# Altium PCB 2016_FDP_PCB.PcbDoc (part 3 of 3)
Units mil, origin at the board's own origin, x right, y up, seen from the top; angles counter-clockwise.
Board outline 4330.71 x 8858.27 mil, 4 copper layers (1-TOP, 2-GND, 3-SIGNAL, 4-BOT); 304 components, 243 nets, 1184 pads, 446 vias.
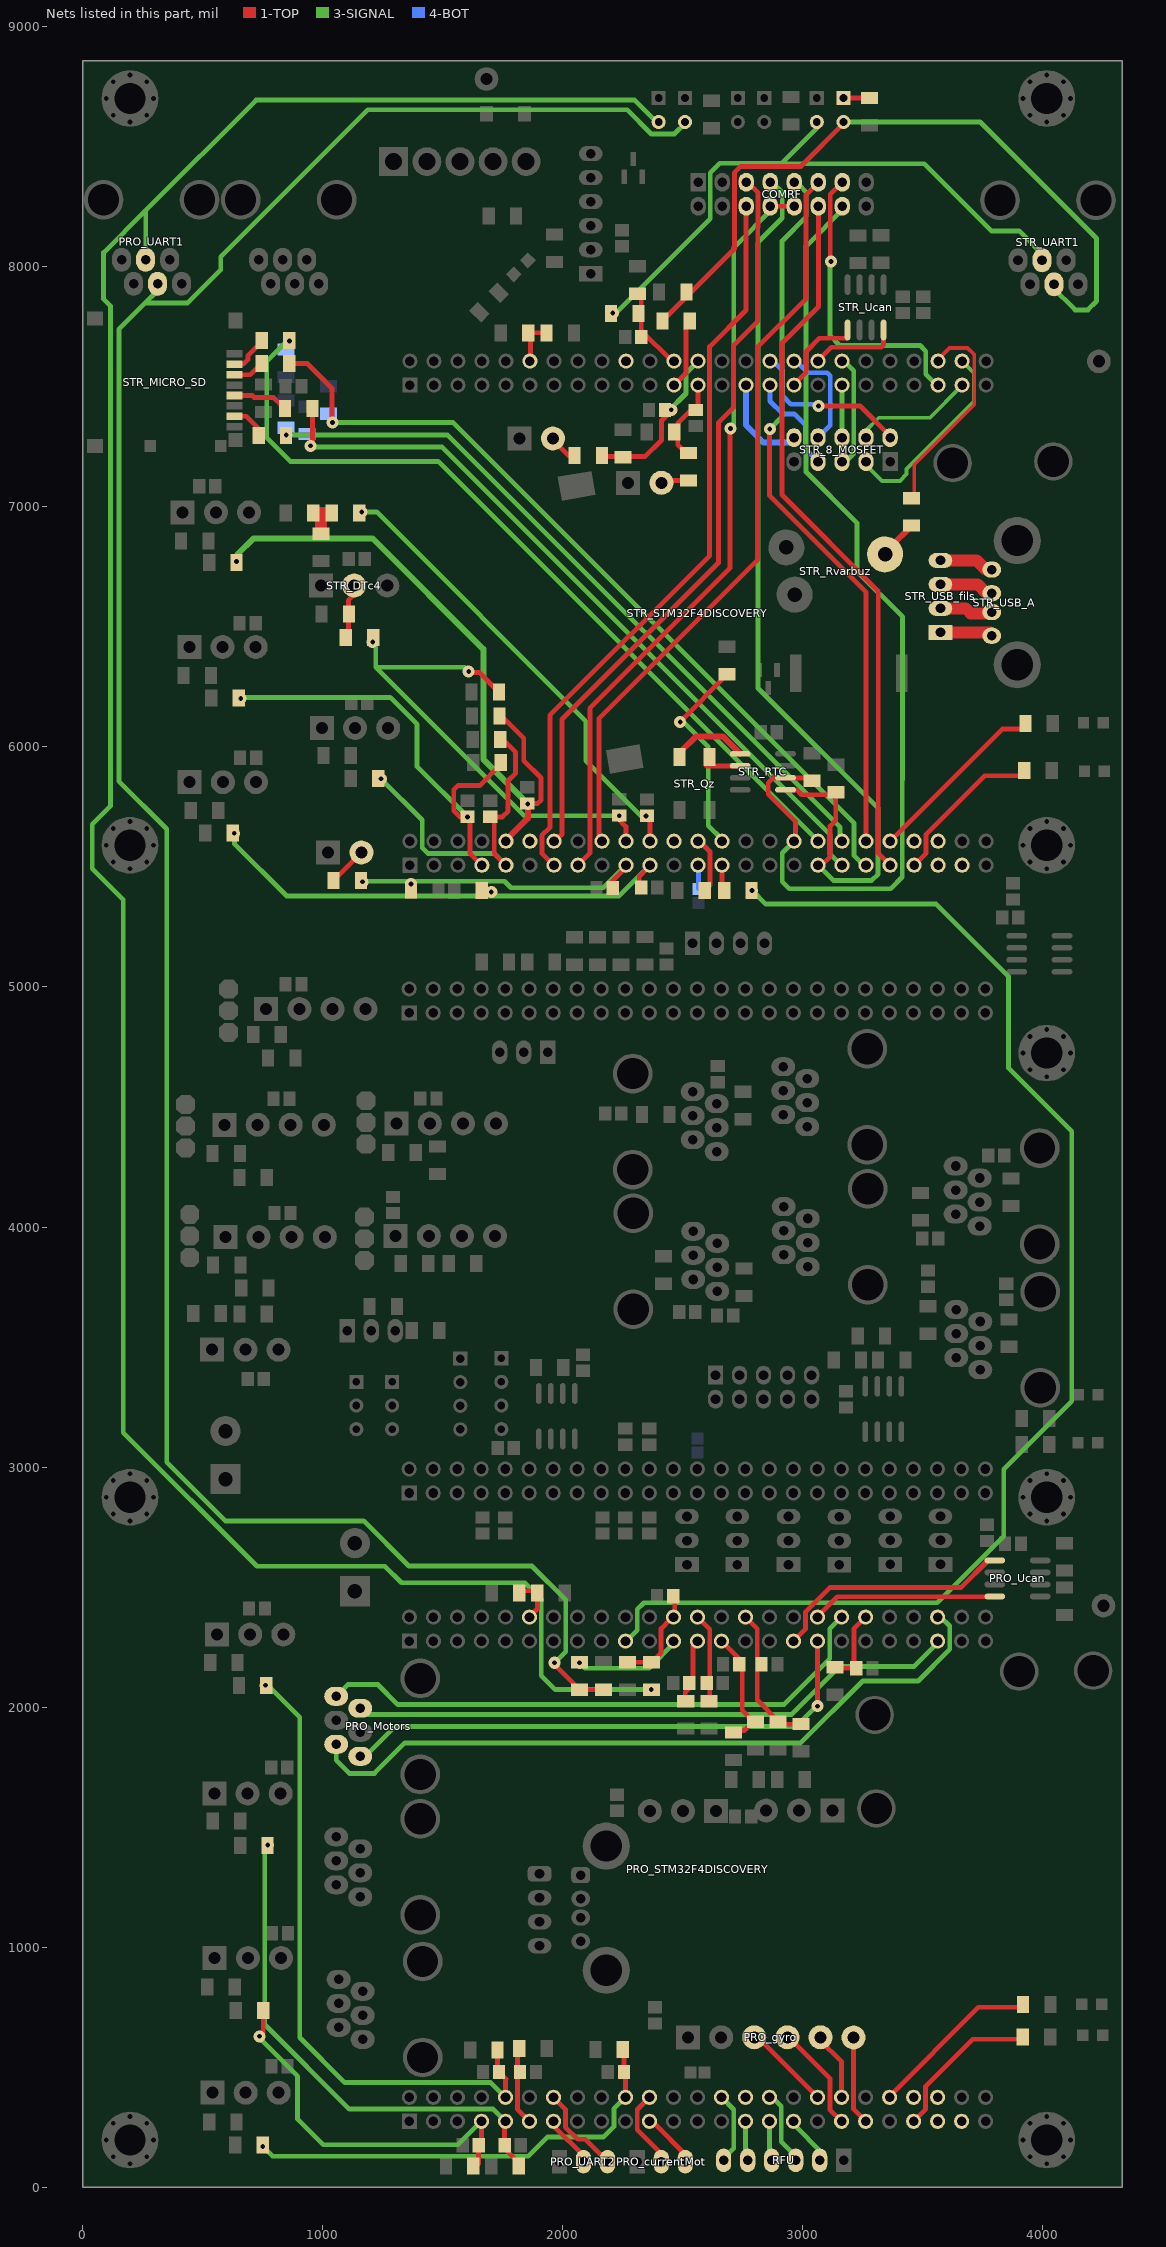
[diagram p5: the nets of this part, all layers, seen from the top]

## Via types
v1: diameter 50, hole 20, 1-TOP to 4-BOT, 446 vias

## Nets (pads, with @x,y where several pads share a name; then routed paths per layer and width w, separated by ;. In a path a pad name is that pad's centre, name@x,y a point inside that pad or via, vN(x,y) a via of type N, cw(c..) or ccw(c..) an arc to the next point about the centre after c; other vN are vias at no path point) (continued)
NetSTR_DTc4_2: STR_DTc4.2 STR_Rdtc4.2 STR_RfDTc4.1 | length 215.8
  1-TOP w20: STR_RfDTc4.1@1106.91,6456 1106.91,6610.91 STR_DTc4.2@1150,6654
NetSTR_JPt_1: STR_JPt.1 STR_Rjpt.1 | length 104.9
  1-TOP w20: STR_JPt.1@3173.09,8703.09 STR_Rjpt.1@3278,8703.09
NetSTR_mes24+_1: STR_mes24+.1 STR_mes24-.2 STR_Rsmed24.1 | length 148.8
  1-TOP w50: STR_mes24+.1@960.09,6974 STR_Rsmed24.1@1030,6974 ; STR_mes24-.2@993,6888.09 993,6967
NetSTR_MICRO_SD_2: STR_MICRO_SD.2 STR_RsdCS.2 | length 150.7
  1-TOP w20: STR_MICRO_SD.2@633,7593.69 668.69,7593.69 689,7614 689,7631 STR_RsdCS.2@738,7680
NetSTR_MICRO_SD_3: STR_MICRO_SD.3 STR_RsdMosi.2 | length 120.4
  1-TOP w20: STR_MICRO_SD.3@633,7550.39 697.39,7550.39 STR_RsdMosi.2@737,7590
NetSTR_MICRO_SD_5: STR_MICRO_SD.5 STR_RsdSck.2 | length 221.8
  1-TOP w20: STR_MICRO_SD.5@633,7463.77 705.23,7463.77 714,7455 796,7455 STR_RsdSck.2@835,7416
NetSTR_MICRO_SD_7: STR_MICRO_SD.7 STR_RsdMiso.2 | length 145.6
  1-TOP w20: STR_MICRO_SD.7@633,7377.16 680.84,7377.16 STR_RsdMiso.2@750,7308
NetSTR_PB4_2: STR_PB4.2 STR_RfB4.1 | length 104.7
  1-TOP w20: STR_PB4.2@2422,7101 2430.91,7109.91 STR_RfB4.1@2523,7109.91
NetSTR_PB5_2: STR_PB5.2 STR_RfB5.1 | length 113.6
  1-TOP w20: STR_PB5.2@1961,7276 2023,7214 STR_RfB5.1@2048.91,7214
NetSTR_PC5_2: STR_PC5.2 STR_RfC5.1 | length 150.1
  1-TOP w20: STR_RfC5.1@1044.91,5444 1149,5548.09 STR_PC5.2@1149,5551
NetSTR_Qz_1: STR_Qz.1 STR_RTC.1 | length 305.7
  1-TOP w25: STR_Qz.1@2490,5979 2555,6044 2665.51,6044 STR_RTC.1@2738.51,5971
NetSTR_Qz_4: STR_Qz.4 STR_RTC.2 | length 141.5
  1-TOP w20: STR_Qz.4@2597,5921 STR_RTC.2@2738.51,5921
NetSTR_RsBuz_2: STR_RsBuz.2 STR_Rvarbuz.2 | length 125.4
  1-TOP w25: STR_Rvarbuz.2@3364,6834 3365.09,6834 STR_RsBuz.2@3453,6921.91
NetSTR_USB_A_1: STR_USB_A.1 STR_USB_fils.1 | length 209
  1-TOP w50: STR_USB_fils.1@3573,6477 STR_USB_A.1@3782,6477
NetSTR_USB_A_2: STR_USB_A.2 STR_USB_fils.2 | length 201.7
  1-TOP w50: STR_USB_fils.2@3573,6577 3678,6577 3699,6556 STR_USB_A.2@3766,6556
NetSTR_USB_A_3: STR_USB_A.3 STR_USB_fils.3 | length 208.7
  1-TOP w50: STR_USB_fils.3@3573,6677 3728,6677 STR_USB_A.3@3766,6639
NetSTR_USB_A_4: STR_USB_A.4 STR_USB_fils.4 | length 200.9
  1-TOP w50: STR_USB_fils.4@3573,6777 3723,6777 STR_USB_A.4@3759,6741
PRO_PA1_CODGB: PRO_CcodGB.2 PRO_RCodGB.1 PRO_STM32F4DISCOVERY.11 | length 343.7
  1-TOP w20: PRO_RCodGB.1@1811,598 1811,325 PRO_STM32F4DISCOVERY.11@1861,275
PRO_PA2_U2TX(RFU): PRO_STM32F4DISCOVERY.14 PRO_UART2.3 | length 373.7
  1-TOP w20: PRO_STM32F4DISCOVERY.14@1961,375 2011,325 2011,251 2062,200 2093,200 PRO_UART2.3@2182,111
PRO_PA3_U2RX(RFU): PRO_STM32F4DISCOVERY.13 PRO_UART2.2 | length 221.2
  1-TOP w20: PRO_STM32F4DISCOVERY.13@1961,275 1961,256 2092.5,124.5 PRO_UART2.2@2104,136
PRO_PA15_CODGA: PRO_CcodGA.2 PRO_RCodGA.1 PRO_STM32F4DISCOVERY.90 | length 300.6
  1-TOP w20: PRO_RCodGA.1@3141,2162 PRO_CcodGA.2@3222.54,2162 ; PRO_CcodGA.2@3212.5,2176 3212.5,2326.5 PRO_STM32F4DISCOVERY.90@3261,2375
PRO_PB0_COURANTMOTEURG(RFU): PRO_currentMot.2 PRO_STM32F4DISCOVERY.22 | length 318.3
  1-TOP w20: PRO_STM32F4DISCOVERY.22@2361,375 2310,324 2310,240 2424,126 PRO_currentMot.2@2425,126
PRO_PB1_COURANTMOTEURD(RFU): PRO_currentMot.3 PRO_STM32F4DISCOVERY.21 | length 227.4
  1-TOP w20: PRO_STM32F4DISCOVERY.21@2361,275 2372,275 PRO_currentMot.3@2525,122
PRO_PB4_CODDA: PRO_CcodDB.2 PRO_RCodDB.1 PRO_STM32F4DISCOVERY.75 | length 230.7
  1-TOP w20: PRO_RCodDB.1@2510,2035 2510,2063 PRO_CcodDB.2@2541,2094 ; PRO_CcodDB.2@2542,2124 2542,2256 PRO_STM32F4DISCOVERY.75@2561,2275
PRO_PB5_CODDB: PRO_CcodDA.2 PRO_RCodDA.1 PRO_STM32F4DISCOVERY.76 | length 370.1
  1-TOP w20: PRO_STM32F4DISCOVERY.76@2561,2375 2612,2324 PRO_RCodDA.1@2612,2026
PRO_PB6_U1TX: PRO_RsU1tx.2 PRO_STM32F4DISCOVERY.73 | length 452.3
  3-SIGNAL w20: v1(2069,2185) 2092,2162 2359,2162 PRO_STM32F4DISCOVERY.73@2467,2270
PRO_PB7_U1RX: PRO_Cu1rx.2 PRO_RpuU1rx.1 PRO_Rsu1rx.1 PRO_STM32F4DISCOVERY.74 | length 402
  1-TOP w20: PRO_RpuU1rx.1@2270,2187.09 PRO_Rsu1rx.1@2370,2187.09 2409.5,2226.58 2409.5,2327.5 PRO_STM32F4DISCOVERY.74@2448,2366 ; PRO_STM32F4DISCOVERY.74@2463,2372 2466,2375 PRO_Cu1rx.2@2466,2461.54
PRO_PB8_I_AM_READY: PRO_STM32F4DISCOVERY.69 STR_RproRdy.2 | length 5586.3
  3-SIGNAL w20: PRO_STM32F4DISCOVERY.69@2259,2270 2310,2321 2310,2407 2338,2435 3560,2435 3837,2712 3837,2991 4120,3274 4120,4398 3857,4661 3857,5043 3555,5345 2845,5345 v1(2788,5402)
PRO_PB12_GYRO: PRO_gyro.3 PRO_STM32F4DISCOVERY.36 | length 343.7
  1-TOP w20: PRO_gyro.3@2818,618 PRO_STM32F4DISCOVERY.36@3061,375
PRO_PB13_GYRO: PRO_gyro.4 PRO_STM32F4DISCOVERY.37 | length 434.1
  1-TOP w20: PRO_gyro.4@2946,620 3112.5,453.5 3112.5,323.5 PRO_STM32F4DISCOVERY.37@3161,275
PRO_PB14_GYRO: PRO_gyro.5 PRO_STM32F4DISCOVERY.38 | length 278.1
  1-TOP w20: PRO_gyro.5@3069,615 3161,523 PRO_STM32F4DISCOVERY.38@3161,375
PRO_PB15_GYRO: PRO_gyro.6 PRO_STM32F4DISCOVERY.39 | length 355.7
  1-TOP w20: PRO_gyro.6@3211,610 3211,325 PRO_STM32F4DISCOVERY.39@3261,275
PRO_PC1_CAPTEUR: PRO_CfDTc1.2 PRO_RfDTc1.2 PRO_RpuDTc1.1 PRO_STM32F4DISCOVERY.7 | length 1569.7
  1-TOP w20: v1@740,630 752.09,642.09 PRO_RfDTc1.2@752.09,737 ; PRO_RpuDTc1.1@1626.09,75 1649,97.91 PRO_CfDTc1.2@1649,166 ; PRO_CfDTc1.2@1649,178 1661,190 PRO_STM32F4DISCOVERY.7@1661,275
  3-SIGNAL w20: v1@735,622 895,462 895,284 1002,177 1563,177 PRO_STM32F4DISCOVERY.7@1661,275
  other v1: 737,629
PRO_PC2_CAPTEUR: PRO_CfDTc2.2 PRO_RfDTc2.2 PRO_RpuDTc2.1 PRO_STM32F4DISCOVERY.10 | length 2696.6
  1-TOP w20: PRO_CfDTc2.2@1728.09,484.91 PRO_RpuDTc2.1@1728.09,572 ; PRO_CfDTc2.2@1734.46,480 1763,451.46 ; PRO_STM32F4DISCOVERY.10@1761,375 1761,452
  3-SIGNAL w20: v1@764,2098 904,1958 904,624 1092,436 1699,436 1760,375 PRO_STM32F4DISCOVERY.10@1761,375
  other v1: 761,2091
PRO_PC3_CAPTEUR: PRO_CfDTc3.2 PRO_RfDTc3.2 PRO_RpuDTc3.1 PRO_STM32F4DISCOVERY.9 | length 2111
  1-TOP w20: PRO_CfDTc3.2@1756,162 1816.09,101.91 PRO_RpuDTc3.1@1816.09,89 ; PRO_CfDTc3.2@1757.54,175 PRO_STM32F4DISCOVERY.9@1757.54,265.54
  3-SIGNAL w20: v1@773,1425 758,1410 758,680 763,675 763,674 1111,326 1710,326 PRO_STM32F4DISCOVERY.9@1761,275
  other v1: 771,1426
PRO_PC4_CAPTEUR: PRO_CfDTc4.2 PRO_RfDTc4.2 PRO_RpuDTc4.1 PRO_STM32F4DISCOVERY.20 | length 1880.7
  1-TOP w20: PRO_CfDTc4.2@2253,481 2261,473 PRO_STM32F4DISCOVERY.20@2261,375 ; PRO_CfDTc4.2@2254.46,480 PRO_RpuDTc4.1@2254.46,579.54
  3-SIGNAL w20: v1@751,169 791,129 1855,129 1935,209 2169,209 2212.5,252.5 2212.5,326.5 PRO_STM32F4DISCOVERY.20@2261,375
  other v1: 750,170
PRO_PC8_MOTD: PRO_Motors.2 PRO_STM32F4DISCOVERY.95 | length 2535.5
  3-SIGNAL w20: PRO_Motors.2@1156,1995.39 1182.39,1969 2952,1969 3153,2170 3463,2170 PRO_STM32F4DISCOVERY.95@3558,2265
PRO_PC9_MOTG: PRO_Motors.5 PRO_STM32F4DISCOVERY.96 | length 3008.3
  3-SIGNAL w20: PRO_Motors.5@1056,1845 1056,1779 1111,1724 1215,1724 1342,1851 2991,1851 3249,2109 3480,2109 3612,2241 3612,2338 PRO_STM32F4DISCOVERY.96@3575,2375
PRO_PC11_SENSMOTD: PRO_Motors.1 PRO_STM32F4DISCOVERY.88 | length 2376
  3-SIGNAL w20: PRO_Motors.1@1056,2045 1105,2094 1230,2094 1313,2011 2921,2011 3112,2202 3112,2326 PRO_STM32F4DISCOVERY.88@3156,2370
PRO_PC12_SENSMOTG: PRO_Motors.6 PRO_STM32F4DISCOVERY.85 | length 2259.4
  1-TOP w20: v1@3061,1993 3061,2190 PRO_STM32F4DISCOVERY.85@3061,2275
  3-SIGNAL w20: PRO_Motors.6@1156,1795 1177,1795 1302,1920 2972,1920 v1@3049.5,1997.5
  other v1: 3061,2004
PRO_PC13_WHO_AM_I: PRO_RdwnWAmI.2 PRO_RupWAmI.1 PRO_STM32F4DISCOVERY.62 | length 185.8
  1-TOP w20: PRO_RupWAmI.1@1818.09,2485 PRO_RdwnWAmI.2@1877,2485 ; PRO_STM32F4DISCOVERY.62@1858,2373 1893.91,2408.91 PRO_RdwnWAmI.2@1893.91,2485
PRO_PD0_CANRX: PRO_STM32F4DISCOVERY.86 PRO_Ucan.4 | length 760.5
  1-TOP w20: PRO_STM32F4DISCOVERY.86@3068,2384 3144,2460 PRO_Ucan.4@3797,2460
PRO_PD1_CANTX: PRO_STM32F4DISCOVERY.83 PRO_Ucan.1 | length 1014.6
  1-TOP w20: PRO_STM32F4DISCOVERY.83@2964,2279 3011,2326 3011,2397 3112,2498 3658,2498 3771,2611 PRO_Ucan.1@3799.51,2611
PRO_PD6_SENSORTOR: PRO_CfDTd6.2 PRO_RfDTd6.2 PRO_RpuDTd6.1 PRO_STM32F4DISCOVERY.80 | length 574.2
  1-TOP w20: PRO_STM32F4DISCOVERY.80@2761,2375 2810,2326 2810,2030 2894,1946 2894,1934 2899,1929 PRO_RfDTd6.2@2970,1929
PRO_PD7_SENSORTOR: PRO_CfDTd7.2 PRO_RfDTd7.2 PRO_RpuDTd7.1 PRO_STM32F4DISCOVERY.77 | length 481.4
  1-TOP w20: PRO_STM32F4DISCOVERY.77@2661,2275 2747,2189 2747,1987 2794,1940 2757,1903 PRO_RfDTd7.2@2718,1903
PRO_PD10_ERROR: PRO_Rderror.1 PRO_STM32F4DISCOVERY.42 | length 708.3
  1-TOP w20: PRO_STM32F4DISCOVERY.42@3361,380 3731,750 PRO_Rderror.1@3916,750
PRO_PD11_SELFTEST: PRO_Rdselftest.1 PRO_STM32F4DISCOVERY.43 | length 645.9
  1-TOP w20: PRO_STM32F4DISCOVERY.43@3461,275 3511,325 3511,421 3707,617 PRO_Rdselftest.1@3909,617
PRO_PD12_RUN: PRO_STM32F4DISCOVERY.44
PRO_PD13_CAN: PRO_STM32F4DISCOVERY.45
PRO_PD14_UART: PRO_STM32F4DISCOVERY.46
PRO_PD15_USER: PRO_STM32F4DISCOVERY.47
PRO_PE10(RFU): PRO_STM32F4DISCOVERY.28 RFU.6 | length 275.1
  3-SIGNAL w20: PRO_STM32F4DISCOVERY.28@2661,375 2712,324 2712,162 RFU.6@2683,133
PRO_PE11(RFU): PRO_STM32F4DISCOVERY.29 RFU.5 | length 150
  3-SIGNAL w20: RFU.5@2761,125 PRO_STM32F4DISCOVERY.29@2761,275
PRO_PE12_CALIBRATION: PRO_STM32F4DISCOVERY.30
PRO_PE13(RFU): PRO_STM32F4DISCOVERY.31 RFU.4 | length 152
  3-SIGNAL w20: RFU.4@2861,123 PRO_STM32F4DISCOVERY.31@2861,275
PRO_PE14(RFU): PRO_STM32F4DISCOVERY.32 RFU.3 | length 300.8
  3-SIGNAL w20: PRO_STM32F4DISCOVERY.32@2861,375 2872,375 2910,337 2910,190 RFU.3@2973,127
PRO_PE15(RFU): PRO_STM32F4DISCOVERY.33 RFU.2 | length 185.5
  3-SIGNAL w20: PRO_STM32F4DISCOVERY.33@2961,275 2961,262 RFU.2@3083,140
PRO_U1RX: PRO_JPr.2 PRO_Rsu1rx.2 PRO_UART1.4 | length 10640.2
  3-SIGNAL w20: 169,5117 169,3144 726,2587 1259,2587 1328,2518 1842,2518 1910,2450 1910,2131 1968,2073 2361,2073 v1@2371,2063 ; 169,5119 169,5364 40,5493 40,5678 116,5754 116,7836 87,7865 87,8059 263,8235 ; PRO_UART1.4@266,8052 263,8055 263,8235 ; PRO_JPr.2@2394,8599 2299,8694 722,8694 263,8235
  other v1: 2368,2074
PRO_U1TX: PRO_JPt.2 PRO_RpuU1tx.1 PRO_RsU1tx.1 PRO_UART1.3 | length 10150.6
  1-TOP w20: v1@1969,2177 1969,2173.91 PRO_RsU1tx.1@2070,2072.91 ; PRO_RsU1tx.1@2062,2063 2071.91,2072.91 PRO_RpuU1tx.1@2170,2072.91
  3-SIGNAL w20: PRO_UART1.3@310.5,7899.5 PRO_UART1.3@321,7910 ; PRO_UART1.3@311,7899 261.5,7849.5 ; v1@1969,2188 2012,2231 2012,2447 1871,2588 1359,2588 1171,2776 594,2776 350,3020 350,5658 151,5857 151,7739 261.5,7849.5 ; PRO_JPt.2@2510,8598 2465,8553 2369,8553 2268,8654 1188,8654 575,8041 575,7987 437.5,7849.5 261.5,7849.5
  other v1: 1965,2185
STR_IHM_LCD_RESET: STR_STM32F4DISCOVERY.70
STR_IHM_SCL: COMRF.14 STR_Rscl.1 STR_RTC.6 STR_STM32F4DISCOVERY.34 | length 4239.6
  1-TOP w20: STR_STM32F4DISCOVERY.34@2959,5619 STR_STM32F4DISCOVERY.34@2962,5616 ; STR_STM32F4DISCOVERY.34@2969,5605 2969,5690 2856,5803 2856,5850 2877,5871 STR_RTC.6@2927.49,5871 STR_Rscl.1@3048,5871
  3-SIGNAL w20: STR_STM32F4DISCOVERY.34@2963,5607 2914,5558 2914,5438 2943,5409 3365,5409 3414,5458 3414,5862.75 3415,5863.75 3415,6542 3225,6732 3225,6933 3013,7145 3013,8086 COMRF.14@3173,8246
STR_IHM_SDA: COMRF.7 STR_Rsda.1 STR_RTC.5 STR_STM32F4DISCOVERY.35 | length 3986
  1-TOP w20: STR_RTC.5@2927.49,5821 2974,5821 2994,5801 STR_Rsda.1@3137,5801 ; STR_STM32F4DISCOVERY.35@3077,5507 3113,5543 3113,5670 3137,5694 STR_Rsda.1@3137,5801 ; STR_Rsda.1@3137,5810.91 STR_Rsda.1@3137,5801
  3-SIGNAL w20: COMRF.7@2869,8355 2914,8310 2914,8203 2813,8102 2813,6245 3313,5745 3313,5470 3287,5444 3126,5444 STR_STM32F4DISCOVERY.35@3063,5507
STR_PA0_BP_RUN_MATCH: STR_STM32F4DISCOVERY.12
STR_PA2_XBEE_TX: COMRF.5 STR_STM32F4DISCOVERY.14 | length 3114.7
  1-TOP w20: STR_STM32F4DISCOVERY.14@1969,5608 1996,5635 1996,6114 2648,6766 2648,7350 2712,7414 2712,7673 2812,7773 2812,8165 2813.09,8166.09 2813.09,8307.91 COMRF.5@2767,8354
STR_PA3_XBEE_RX: COMRF.6 STR_STM32F4DISCOVERY.13 | length 3141.2
  1-TOP w20: STR_STM32F4DISCOVERY.13@1942,5528 STR_STM32F4DISCOVERY.13@1963,5507 ; STR_STM32F4DISCOVERY.13@1960,5509 1913,5556 1913,5631 1946,5664 1946,6131 2611.5,6796.5 2611.5,7667.5 2763,7819 COMRF.6@2763,8249
STR_PA5_RF_XBEE_RESET: COMRF.8 COMRF.10 STR_STM32F4DISCOVERY.15 | length 3172
  1-TOP w20: STR_STM32F4DISCOVERY.15@2063,5507 2113,5557 2113,6161 2696,6744 v1@2696,7325 ; COMRF.8@2864,8252 COMRF.10@2957,8252
  3-SIGNAL w20: v1(2698,7326) 2712,7340 2712,8080 COMRF.8@2881,8249
STR_PA6_RF_CONFIG: COMRF.11 STR_STM32F4DISCOVERY.18 | length 3130.1
  1-TOP w20: STR_STM32F4DISCOVERY.18@2165,5601 2151,5615 2151,6119 2812,6780 2812,7666 3013.09,7867.09 3013.09,8299.09 COMRF.11@3062,8348
STR_PB0_MESURE_24V: STR_Cmes24.2 STR_Rsmed24.2 STR_STM32F4DISCOVERY.22 | length 1904.7
  1-TOP w20: STR_Cmes24.2@2348,5704 2363,5689 STR_STM32F4DISCOVERY.22@2363,5607
  3-SIGNAL w20: v1@1167,6979 1224,6979 2096,6107 2096,5942 2326,5712 v1(2347,5712)
  other v1: 1162,6979
STR_PB1_CAPTEUR: STR_CfDTb1.2 STR_RfDTb1.2 STR_RpuDTb1.1 STR_STM32F4DISCOVERY.21 | length 2028
  1-TOP w20: STR_CfDTb1.2@2318,5405.46 2318,5460 STR_STM32F4DISCOVERY.21@2358,5500
  3-SIGNAL w20: v1@632,5639 632,5596 849,5379 2235,5379 STR_STM32F4DISCOVERY.21@2363,5507
  other v1: 1702,5395 631,5640
STR_PB2_RFU: STR_STM32F4DISCOVERY.24 | length 17
  1-TOP w20: STR_STM32F4DISCOVERY.24@2463,5607 STR_STM32F4DISCOVERY.24@2475,5619
STR_PB4_SENSORTOR: STR_CfB4.2 STR_RfB4.2 STR_RpuB4.1 STR_STM32F4DISCOVERY.75 | length 342.6
  1-TOP w20: STR_RfB4.2@2509,7228 2479,7258 2479,7349 2535,7405 2563,7405 STR_STM32F4DISCOVERY.75@2563,7507
STR_PB5_SENSORTOR: STR_CfB5.2 STR_RfB5.2 STR_RpuB5.1 STR_STM32F4DISCOVERY.76 | length 669.6
  1-TOP w20: STR_RfB5.2@2169,7212 2172,7209 2342,7209 2411,7278 2411,7359 2440.46,7388.46 STR_CfB5.2@2440.46,7406
  3-SIGNAL w20: v1@2441,7400 2513,7472 2513,7557 STR_STM32F4DISCOVERY.76@2563,7607
  other v1: 2452,7404
STR_PB6_U1TX: STR_RsU1tx.2 STR_STM32F4DISCOVERY.73 | length 304.7
  1-TOP w20: STR_STM32F4DISCOVERY.73@2463,7507 2513,7557 STR_RsU1tx.2@2513,7791
STR_PB7_U1RX: STR_Cu1rx.2 STR_RpuU1rx.1 STR_Rsu1rx.1 STR_STM32F4DISCOVERY.74 | length 349.6
  1-TOP w20: STR_Cu1rx.2@2326.46,7708 STR_RpuU1rx.1@2326.46,7879.54 ; STR_Cu1rx.2@2327.09,7733.91 STR_STM32F4DISCOVERY.74@2453,7608
STR_PB12_SD_CS: STR_RpudCs.2 STR_RsdCS.1 STR_STM32F4DISCOVERY.36 | length 3432.5
  3-SIGNAL w20: v1@853,7692 767,7606 767,7287 865,7189 1481,7189 STR_STM32F4DISCOVERY.36@3063,5607
  other v1: 861,7691
STR_PB13_SD_SCK: STR_RpudSck.1 STR_RsdSck.1 STR_STM32F4DISCOVERY.37 | length 3136.9
  1-TOP w20: v1@957.09,7246.09 STR_RsdSck.1@957.09,7409
  3-SIGNAL w20: v1@954,7249 1498,7249 3113,5634 3113,5553 STR_STM32F4DISCOVERY.37@3159,5507
  other v1: 949,7254
STR_PB14_SD_MISO: STR_RpudMiso.1 STR_RsdMiso.1 STR_STM32F4DISCOVERY.38 | length 3041.8
  3-SIGNAL w20: v1(848,7299) 1521,7299 3155,5665 STR_STM32F4DISCOVERY.38@3155,5607
STR_PB15_SD_MOSI: STR_RpudMosi.2 STR_RsdMosi.1 STR_STM32F4DISCOVERY.39 | length 3435
  1-TOP w20: STR_RsdMosi.1@860.09,7597 936,7597 1038,7495 v1@1038,7347
  3-SIGNAL w20: v1@1037,7351 1543,7351 3213,5681 3213,5547 STR_STM32F4DISCOVERY.39@3259,5501
  other v1: 1041,7351
STR_PC1_CAPTEUR: STR_CfDTc1.2 STR_RfDTc1.2 STR_RpuDTc1.1 STR_STM32F4DISCOVERY.7 | length 1867.3
  1-TOP w20: STR_CfDTc1.2@1603,5708.54 1571.46,5708.54 1546,5734 1546,5822 1563,5839 1654,5839 STR_RpuDTc1.1@1740,5925 ; STR_CfDTc1.2@1613,5705 1613,5557 STR_STM32F4DISCOVERY.7@1663,5507
  3-SIGNAL w20: v1@656,6206 1281,6206 1393,6094 1393,5918 v1(1603,5708)
  other v1: 658,6202
STR_PC2_CAPTEUR: STR_CfDTc2.2 STR_RfDTc2.2 STR_RpuDTc2.1 STR_STM32F4DISCOVERY.10 | length 2667.8
  1-TOP w20: STR_RpuDTc2.1@1743,6130 1837,6036 1837,5943 1909,5871 1909,5778 1895.54,5764.54 STR_CfDTc2.2@1852,5764.54
  1-TOP w25: STR_STM32F4DISCOVERY.10@1763,5607 1763,5611 1854,5702 v1(1854,5762)
  3-SIGNAL w25: v1@645,6774 645,6802 712,6869 1207,6869 1669,6407 1669,5948 v1@1854,5763
  other v1: 641,6772
STR_PC3_CAPTEUR: STR_CfDTc3.2 STR_RfDTc3.2 STR_RpuDTc3.1 STR_STM32F4DISCOVERY.9 | length 1378.3
  1-TOP w20: STR_CfDTc3.2@1698,5708.54 1748.54,5708.54 1772,5732 1772,5860 1803,5891 1803,5977 STR_RpuDTc3.1@1745,6035 ; STR_CfDTc3.2@1699,5707 1714.5,5691.5 1714.5,5555.5 STR_STM32F4DISCOVERY.9@1763,5507
  3-SIGNAL w20: v1@1244,5866 1414.5,5695.5 1414.5,5579.42 1437.92,5556 1715,5556 STR_STM32F4DISCOVERY.9@1758,5513
  other v1: 1242,5867
STR_PC4_CAPTEUR: STR_CfDTc4.2 STR_RfDTc4.2 STR_RpuDTc4.1 STR_STM32F4DISCOVERY.20 | length 2012.8
  1-TOP w20: v1@1616,6310 1652.09,6310 STR_RpuDTc4.1@1734.09,6228 ; STR_CfDTc4.2@2225,5706 2263,5668 STR_STM32F4DISCOVERY.20@2263,5607
  3-SIGNAL w20: 1221,6415 1221,6332 ; v1@1607,6316 1591,6332 1221,6332 ; v1(2235,5713) 1840,5713 1221,6332
  other v1: 1608,6314 1208,6437
STR_PC5_SENSORTOR: STR_CfC5.2 STR_RfC5.2 STR_RpuC5.1 STR_STM32F4DISCOVERY.19 | length 1259.5
  1-TOP w20: STR_CfC5.2@2207.46,5412 2207.46,5441.46 STR_STM32F4DISCOVERY.19@2264,5498
  3-SIGNAL w20: v1@1163,5440 1757,5440 1784,5413 2169,5413 STR_STM32F4DISCOVERY.19@2263,5507
  other v1: 1367,5429 1166,5438
STR_PC6_MOSFET1: STR_8_MOSFET.4 STR_STM32F4DISCOVERY.97 | length 499
  3-SIGNAL w16: STR_8_MOSFET.4@3263,7288 3263,7318 3316,7371 3529,7371 STR_STM32F4DISCOVERY.97@3657,7499
STR_PC7_MOSFET2: STR_8_MOSFET.3 STR_STM32F4DISCOVERY.98 | length 813.2
  3-SIGNAL w16: STR_8_MOSFET.3@3265,7172 3329,7108 3404,7108 3432,7136 3432,7157 3713,7438 3713,7557 STR_STM32F4DISCOVERY.98@3663,7607
STR_PC8_SYNCHROBALISE: COMRF.13 STR_STM32F4DISCOVERY.95 | length 1238.9
  1-TOP w20: v1@3114,8027 3114,8302 COMRF.13@3164,8352
  3-SIGNAL w20: v1@3113,8023 3113,7713 3154,7672 3488,7672 3512,7648 3512,7553 STR_STM32F4DISCOVERY.95@3556,7509
  other v1: 3117,8022
STR_PC9_BUZZER: STR_RsBuz.1 STR_STM32F4DISCOVERY.96 | length 883
  1-TOP w16: STR_RsBuz.1@3464,7044 3464,7175 3714,7425 3714,7634 3686,7662 3611,7662 3563,7614 STR_STM32F4DISCOVERY.96@3563,7607
STR_PC10_MOSFET3: STR_8_MOSFET.6 STR_STM32F4DISCOVERY.87 | length 211
  3-SIGNAL w20: STR_8_MOSFET.6@3163,7296 STR_STM32F4DISCOVERY.87@3163,7507
STR_PC11_MOSFET4: STR_8_MOSFET.5 STR_STM32F4DISCOVERY.88 | length 461.6
  1-TOP w20: STR_STM32F4DISCOVERY.88@3163,7607 STR_STM32F4DISCOVERY.88@3172,7607
  3-SIGNAL w20: STR_STM32F4DISCOVERY.88@3172,7607 3212.09,7566.91 3212.09,7222.09 STR_8_MOSFET.5@3176,7186
STR_PC13_WHO_AM_I: STR_RdwnWAmI.2 STR_RupWAmI.1 STR_STM32F4DISCOVERY.62 | length 192
  1-TOP w20: STR_RupWAmI.1@1856.09,7725 STR_RdwnWAmI.2@1931.91,7725 STR_RdwnWAmI.2@1932,7725 ; STR_STM32F4DISCOVERY.62@1865.91,7610.91 STR_RupWAmI.1@1865.91,7727
STR_PD0_CANRX: STR_STM32F4DISCOVERY.86 STR_Ucan.4 | length 350.5
  1-TOP w20: STR_STM32F4DISCOVERY.86@3071,7617 3119,7665 3326,7665 3336,7675 STR_Ucan.4@3336,7736.51
STR_PD1_CANTX: STR_STM32F4DISCOVERY.83 STR_Ucan.1 | length 357.5
  1-TOP w20: STR_STM32F4DISCOVERY.83@2964,7511 3014,7561 3014,7647 3069,7702 3185,7702 STR_Ucan.1@3185,7709
STR_PD2_MOSFET5: STR_8_MOSFET.8 STR_STM32F4DISCOVERY.84 | length 441.2
  4-BOT w20: STR_STM32F4DISCOVERY.84@2963,7607 2972,7607 3020.5,7558.5 3101.5,7558.5 3114,7546 3114,7339 STR_8_MOSFET.8@3073,7298
STR_PD3_MOSFET6: STR_8_MOSFET.7 STR_STM32F4DISCOVERY.81 | length 426
  4-BOT w20: STR_STM32F4DISCOVERY.81@2863,7503 2863,7440 2916,7387 2964,7387 3012.09,7338.91 3012.09,7238.91 STR_8_MOSFET.7@3063,7188
STR_PD4_MOSFET7: STR_8_MOSFET.2 STR_STM32F4DISCOVERY.82 | length 672.3
  1-TOP w20: v1(3065,7420) 3238,7420 STR_8_MOSFET.2@3354,7304
  4-BOT w20: STR_STM32F4DISCOVERY.82@2863,7607 2877,7607 2914.5,7569.5 2914.5,7486.42 2915,7485.92 2915,7462 2950,7427 v1@3061,7427
STR_PD5_MOSFET8: STR_8_MOSFET.10 STR_STM32F4DISCOVERY.79 | length 397.8
  4-BOT w25: STR_STM32F4DISCOVERY.79@2763,7507 2763,7340 2835,7268 STR_8_MOSFET.10@2964,7268
STR_PD8_RF_TX: COMRF.9 STR_STM32F4DISCOVERY.40 | length 2994.6
  1-TOP w20: v1@2861,7337 2861,7046 3263,6644 STR_STM32F4DISCOVERY.40@3263,5607
  3-SIGNAL w20: v1(2862,7324) 2913,7375 2913,8107 3014,8208 3014,8311 COMRF.9@2980,8345
STR_PD9_RF_RX: COMRF.12 STR_STM32F4DISCOVERY.41 | length 2996.4
  1-TOP w20: COMRF.12@3065,8254 3065,7833 2913,7681 2913,7050 3314,6649 3314,5556 STR_STM32F4DISCOVERY.41@3363,5507
STR_PD10_ERROR: STR_Rderror.1 STR_STM32F4DISCOVERY.42 | length 757.4
  1-TOP w20: STR_STM32F4DISCOVERY.42@3363,5607 3830,6074 STR_Rderror.1@3927,6074
STR_PD11_SELFTEST: STR_Rdselftest.1 STR_STM32F4DISCOVERY.43 | length 656.8
  1-TOP w20: STR_STM32F4DISCOVERY.43@3463,5507 3513,5557 3513,5636 3757,5880 STR_Rdselftest.1@3919,5880
STR_PD12_RUN: STR_STM32F4DISCOVERY.44
STR_PD13_CAN: STR_STM32F4DISCOVERY.45
STR_PD14_UART: STR_STM32F4DISCOVERY.46
STR_PD15_USER: STR_STM32F4DISCOVERY.47
STR_PE7_I_AM_STRAT: st_i_am_s.2 STR_STM32F4DISCOVERY.25 | length 96.8
  4-BOT w20: STR_STM32F4DISCOVERY.25@2563,5505 2565,5503 st_i_am_s.2@2565,5409
STR_PE8_ACT_IS_READY: STR_RactRdy.1 STR_STM32F4DISCOVERY.26 | length 231.9
  1-TOP w20: STR_STM32F4DISCOVERY.26@2570,5607 2613,5564 2613,5423.91 STR_RactRdy.1@2591.09,5402
STR_PE9_PROP_IS_READY: STR_RproRdy.1 STR_STM32F4DISCOVERY.27 | length 101
  1-TOP w20: STR_RproRdy.1@2663,5406 STR_STM32F4DISCOVERY.27@2663,5507
STR_PE10_PROP_IS_READY: STR_RihmRdy.1 STR_STM32F4DISCOVERY.28 | length 868
  1-TOP w20: v1@2484,6101 STR_RihmRdy.1@2687.5,6304.5
  3-SIGNAL w20: v1@2491,6116 2606,6001 2606,5672 2663,5615 STR_STM32F4DISCOVERY.28@2663,5607
  other v1: 2489,6104
STR_U1RX: STR_JPr.2 STR_Rsu1rx.2 STR_UART1.4 | length 2570.9
  3-SIGNAL w20: v1@2216.5,7802.5 2614,8200 2614,8391 2654,8431 2911,8431 ; STR_JPr.2@3062,8602 3062,8582 2911,8431 ; STR_UART1.4@4002,8027 4002,8048 3901,8149 3785,8149 3505,8429 2913,8429 2911,8431
  other v1: 2208,7807
STR_U1TX: STR_JPt.2 STR_RpuU1tx.1 STR_RsU1tx.1 STR_UART1.3 | length 3046.3
  1-TOP w20: STR_RsU1tx.1@2414.91,7774 2714.91,8074 2714.91,8390.91 2742,8418 2992,8418 STR_JPt.2@3175,8601
  3-SIGNAL w20: STR_JPt.2@3169,8603 3738,8603 4223,8118 4223,7856 4187,7820 4134,7820 STR_UART1.3@4037,7917
pads on no net: ACT__Mot12.FIX1 ACT__Mot12.FIX2 ACT_cod1.FIX1 ACT_cod1.FIX2 ACT_cod2.FIX1 ACT_cod2.FIX2 ACT_cod3.FIX1 ACT_cod3.FIX2 ACT_cod4.FIX1 ACT_cod4.FIX2 ACT_mot34.FIX1 ACT_mot34.FIX2 ACT_RFU.4 ACT_STM32F4DISCOVERY.3 ACT_STM32F4DISCOVERY.4 ACT_STM32F4DISCOVERY.6 ACT_STM32F4DISCOVERY.8 ACT_STM32F4DISCOVERY.12 ACT_STM32F4DISCOVERY.16 ACT_STM32F4DISCOVERY.18 ACT_STM32F4DISCOVERY.25 ACT_STM32F4DISCOVERY.27 ACT_STM32F4DISCOVERY.48 ACT_STM32F4DISCOVERY.57 ACT_STM32F4DISCOVERY.58 ACT_STM32F4DISCOVERY.59 ACT_STM32F4DISCOVERY.60 ACT_STM32F4DISCOVERY.63 ACT_STM32F4DISCOVERY.65 ACT_STM32F4DISCOVERY.66 ACT_STM32F4DISCOVERY.67 ACT_STM32F4DISCOVERY.68 ACT_STM32F4DISCOVERY.71 ACT_STM32F4DISCOVERY.72 ACT_STM32F4DISCOVERY.78 ACT_STM32F4DISCOVERY.79 ACT_STM32F4DISCOVERY.82 ACT_STM32F4DISCOVERY.89 ACT_STM32F4DISCOVERY.91 ACT_STM32F4DISCOVERY.92 ACT_STM32F4DISCOVERY.94 ACT_UART1.FIX2 ACT_Ucan.5 Bluetooth.1 Bluetooth.6 COMRF.2 PRO_codDroite.FIX1 PRO_codDroite.FIX2 PRO_codGauche.FIX1 PRO_codGauche.FIX2 PRO_Motors.FIX1 PRO_Motors.FIX2 PRO_STM32F4DISCOVERY.3 PRO_STM32F4DISCOVERY.4 PRO_STM32F4DISCOVERY.6 PRO_STM32F4DISCOVERY.8 PRO_STM32F4DISCOVERY.12 PRO_STM32F4DISCOVERY.15 PRO_STM32F4DISCOVERY.16 PRO_STM32F4DISCOVERY.17 PRO_STM32F4DISCOVERY.18 PRO_STM32F4DISCOVERY.19 PRO_STM32F4DISCOVERY.24 PRO_STM32F4DISCOVERY.25 PRO_STM32F4DISCOVERY.26 PRO_STM32F4DISCOVERY.34 PRO_STM32F4DISCOVERY.35 PRO_STM32F4DISCOVERY.40 PRO_STM32F4DISCOVERY.41 PRO_STM32F4DISCOVERY.48 PRO_STM32F4DISCOVERY.57 PRO_STM32F4DISCOVERY.58 PRO_STM32F4DISCOVERY.59 PRO_STM32F4DISCOVERY.60 PRO_STM32F4DISCOVERY.61 PRO_STM32F4DISCOVERY.63 PRO_STM32F4DISCOVERY.64 PRO_STM32F4DISCOVERY.65 PRO_STM32F4DISCOVERY.66 PRO_STM32F4DISCOVERY.67 PRO_STM32F4DISCOVERY.68 PRO_STM32F4DISCOVERY.70 PRO_STM32F4DISCOVERY.71 PRO_STM32F4DISCOVERY.72 PRO_STM32F4DISCOVERY.78 PRO_STM32F4DISCOVERY.79 PRO_STM32F4DISCOVERY.81 PRO_STM32F4DISCOVERY.82 PRO_STM32F4DISCOVERY.84 PRO_STM32F4DISCOVERY.87 PRO_STM32F4DISCOVERY.89 PRO_STM32F4DISCOVERY.91 PRO_STM32F4DISCOVERY.92 PRO_STM32F4DISCOVERY.93 PRO_STM32F4DISCOVERY.94 PRO_STM32F4DISCOVERY.97 PRO_STM32F4DISCOVERY.98 PRO_UART1.FIX1 PRO_Ucan.5 PRO_USB_A.FIX1 PRO_USB_A.FIX2 STR_Dbuz.2 STR_MICRO_SD. STR_MICRO_SD.1 STR_MICRO_SD.8 STR_MICRO_SD.10 STR_Qz.2 STR_Qz.3 STR_RTC.7 STR_Rvarbuz.1 STR_STM32F4DISCOVERY.3 STR_STM32F4DISCOVERY.4 STR_STM32F4DISCOVERY.6 STR_STM32F4DISCOVERY.8 STR_STM32F4DISCOVERY.11 STR_STM32F4DISCOVERY.16 STR_STM32F4DISCOVERY.17 STR_STM32F4DISCOVERY.29 STR_STM32F4DISCOVERY.30 STR_STM32F4DISCOVERY.31 STR_STM32F4DISCOVERY.32 STR_STM32F4DISCOVERY.33 STR_STM32F4DISCOVERY.48 STR_STM32F4DISCOVERY.57 STR_STM32F4DISCOVERY.58 STR_STM32F4DISCOVERY.59 STR_STM32F4DISCOVERY.60 STR_STM32F4DISCOVERY.61 STR_STM32F4DISCOVERY.63 STR_STM32F4DISCOVERY.64 STR_STM32F4DISCOVERY.65 STR_STM32F4DISCOVERY.66 STR_STM32F4DISCOVERY.67 STR_STM32F4DISCOVERY.68 STR_STM32F4DISCOVERY.69 STR_STM32F4DISCOVERY.71 STR_STM32F4DISCOVERY.72 STR_STM32F4DISCOVERY.77 STR_STM32F4DISCOVERY.78 STR_STM32F4DISCOVERY.80 STR_STM32F4DISCOVERY.85 STR_STM32F4DISCOVERY.89 STR_STM32F4DISCOVERY.90 STR_STM32F4DISCOVERY.91 STR_STM32F4DISCOVERY.92 STR_STM32F4DISCOVERY.93 STR_STM32F4DISCOVERY.94 STR_UART1.FIX1 STR_UART1.FIX2 STR_Ucan.5 STR_USB_A.FIX1 STR_USB_A.FIX2
copper on no net:
  other v1: 1902,3821

## Polygon pours and split planes (outlines as drawn)
GND_24 on 2-GND "2-GND24" (solid, pour order 9): 1354,8531 1354,8109 1354,4219 617,3482 611,3476 611,2612 611,241 608,244 264,244 264,8529 262,8531
GND on 2-GND "2-GND" (solid, pour order 10): 15,8839 4316,8839 4316,15 15,15
no net on Mechanical 2 "PLAQUE" (solid, pour order 1000): -2271,11295 3898,11295 3898,990 -2271,990
GND on 4-BOT "4-GND" (solid, pour order 7): 15,8839 4316,8839 4316,15 15,15
GND on 3-SIGNAL "3-GND" (solid, pour order 8): 15,8837 4316,8837 4316,15 15,15
GND on 1-TOP "1-GND" (solid, pour order 11): 15,8838 4316,8838 4316,15 15,15

## Keep-outs
Keep-Out Layer:
  the board outline again, w10

## Silkscreen, mask and mechanical layers (free items; w line width, h text height)
Top Overlay:
  circle w10: c2158,6517 r422
  lines w10: 797,7365 813,7349 904,7349 919,7334
  lines w15: 1518,5882 1468,5932 1468,6243 1526,6301
  text "-" at -3850.57,9049 h40
  text "ACT" at 2753,8793 h40
  text "GND" at 1758,8790 h40
  text "PRO" at 2414,8788 h40
  text "STR" at 3066,8787 h40
  text "ACT" at 771,8721 h150
  text "PRO" at 324,8717 h150
  text "STR" at 3595,8716 h150
  text "." at 2286,8661 h40
  text "." at 2619,8649 h40
  text "." at 2845,8646 h40
  text "power" at 1216,8613 h150
  text "sync" at 3058,8519 h40 r300
  text "RFcg" at 2967,8513 h40 r300
  text "RFTx" at 2856,8511 h40 r300
  text "BAT54A" at 2373,8494 h40 r270
  text "GND" at 2588,8410 h40 r90
  text "3V" at 2689,8405 h40 r90
  text "XbTx" at 2765,8401 h40 r90
  text "CANH" at 3197,8401 h40
  text "GND" at 1516,8343 h40
  text "24V" at 1379,8342 h40
  text "GND24" at 1152,8335 h40
  text "5V" at 1852,8330 h40
  text "5Vp" at 1687,8328 h40 r7.34
  text "Bluetooth" at 2008,8213 h40 r90
  text "°" at 2299,8141 h30
  text "10uF" at 1670,8113 h40
  text "60" at 3380,8110 h40 r270
  text "GND" at 2691,8093 h40 r90
  text "10uF" at 1907,8079 h40 r90
  text "CANL" at 3313,8073 h40 r90
  text "RFRx" at 3005,8065 h40 r75
  text "XbRx" at 2785,8056 h40 r90
  text "60" at 3184,8042 h40 r90
  text "RFRst" at 2956,8031 h40 r90
  text "XbRst" at 2858,8027 h40 r90
  text "°" at 3398,7935 h30
  text "5VPerm" at 1656,7913 h40 r45
  text "WhoAmI" at 1827,7868 h40
  text "-" at 1672,7860 h40 r270
  text "-" at 3599,7826 h40 r270
  text "Gros Petit" at 1730,7787 h40
  text "22" at 773,7753 h40
  text "5027740891" at 109,7721 h40 r270
  text "GND" at 4188,7692 h40
  text "100p" at 2370,7675 h40
  text "MOLEX" at 179,7626 h40 r270
  text "22" at 914,7578 h40
  text "°" at 964,7528 h30
  text "22" at 1004,7394 h40
  text "10k" at 3000,7370 h40
  text "PU" at 2175,7356 h40
  text "10u" at 929,7285 h40
  text "PU" at 2433,7266 h40 r180
  text "B5" at 1593,7208 h150
  text "s" at 2095,7201 h40
  text "22" at 757,7199 h40
  text "|" at 100,7197 h250 r270
  text "s" at 2511,7178 h40 r270
  text "10n" at 482,7145 h40
  text "C2" at 620,7103 h150
  text "STR" at 4291,7034 h200 r90
  text "B4" at 2523,6963 h150
  text "*" at 891,6953 h40
  text "+" at 1078,6953 h40
  text "USB" at 4184,6938 h40
  text "10n" at 1089,6830 h40
  text "PD" at 374,6825 h40 r90
  text "C4" at 1241,6824 h150
  text "+" at 979,6811 h40
  text "s" at 566,6781 h40 r270
  text "Vol.Buzzer" at 2841,6575 h40 r90
  text "10n" at 634,6564 h40
  text "C1" at 481,6555 h150
  text "PD" at 957,6524 h40 r90
  text "s" at 1134,6472 h40 r270
  text "Buzzer" at 3531,6399 h40 r270
  text "PKLCS1212" at 3464,6378 h40 r270
  text "." at 2681,6356 h40
  text "CR2032_3V" at 1713,6346 h40 r90
  text "PD" at 377,6269 h40 r90
  text "C3" at 1230,6238 h150
  text "10n" at 1094,6231 h40
  text "s" at 577,6217 h40 r270
  text "C4" at 1495,6205 h40
  text "BAT54A" at 2781,6185 h40 r90
  text "Error" at 4133,6169 h40
  text "°" at 2841,6121 h30
  text "C2" at 1502,6119 h40
  text "v" at 3999,6113 h40 r180
  text "ABS25" at 2480,6023 h40
  text "2.2k" at 2986,6010 h40
  text "C3" at 1507,6007 h40
  text "10n" at 639,6005 h40
  text "B1" at 443,5999 h150
  text "pull-up" at 1436,5958 h40 r90
  text "Selftest" at 4037,5956 h40
  text "PD" at 959,5934 h40 r90
  text "2.2k" at 3196,5934 h40 r270
  text "C1" at 1510,5918 h40
  text "v" at 3995,5912 h40 r180
  text "°" at 1862,5892 h30
  text "s" at 1158,5882 h40 r270
  text "°" at 2328,5845 h30
  text "°" at 1663,5840 h30
  text "°" at 1581,5838 h30
  text "RTC" at 2851,5818 h40 r90
  text "DS1307" at 2725,5745 h40
  text "°" at 2137,5724 h30
  text "PD" at 411,5704 h40 r90
  text "C5" at 1035,5698 h150
  text "32768Hz" at 2435,5691 h40 r90
  text "s" at 553,5656 h40 r270
  text "s" at 1087,5459 h40 r270
  text "." at 2529,5400 h40
  text "v" at 3763,5398 h40 r180
  text "." at 2727,5397 h40
  text "°" at 3930,5393 h30
  text "100p" at 2437,5344 h40 r270
  text "°" at 2184,5334 h30
  text "°" at 2303,5327 h30
  text "C5" at 1398,5320 h40
  text "B1" at 1586,5319 h40
  text "1u" at 3951,5279 h40
  text "pull-up" at 1400,5277 h40
  text "1M" at 2119,5266 h40
  text "|" at 79,5224 h150 r270
  text "2016" at 4299,5195 h300 r90
  text "WhoAmI:Gros Petit" at 1368,5168 h40
  text "-" at 2356,5168 h40 r180
  text "." at 2052,5146 h40 r90
  text "+" at 2259,5135 h40 r90
  text "CAN" at 4004,5078 h40 r90
  text "10n" at 828,5063 h40
  text "-" at 710,4969 h40
  text "^  24  5" at 896,4806 h40
  text "AN9" at 531,4781 h150 r90
  text ".            ." at 1399,4778 h80 r180
  text "PD" at 717,4757 h40 r180
  text ".            ." at 1399,4735 h80 r180
  text "MOT34" at 2723,4709 h150
  text ".            ." at 1399,4690 h80 r180
  text ".            ." at 1399,4648 h80 r180
  text "100p" at 2585,4621 h40 r90
  text ".            ." at 1399,4602 h80 r180
  text "AN13" at 1437,4597 h150
  text "°" at 1822,4592 h30
  text "10n" at 780,4577 h40
  text "100p" at 2097,4533 h40
  text "24  5" at 1552,4501 h40
  text "-   v" at 552,4489 h40
  text "-" at 2738,4485 h40
  text "-   v" at 1320,4474 h40
  text "-" at 2409,4455 h40 r90
  text "100p" at 3734,4344 h40
  text "24  5" at 846,4324 h40
  text "PD" at 581,4265 h40 r180
  text "PD" at 1333,4260 h40 r180
  text "AN11" at 318,4255 h150 r90
  text "MOT12" at 2765,4162 h150
  text "-" at 3853,4133 h40
  text "10n" at 780,4107 h40
  text "-" at 3506,4105 h40 r180
  text "AN12" at 1382,4080 h150
  text "v" at 1263,4024 h40
  text "-   v" at 560,4022 h40
  text "24  5" at 1565,4015 h40
  text "100p" at 3314,3944 h40
  text "Cod1" at 3590,3891 h150
  text "24  5" at 852,3854 h40
  text "-" at 2435,3843 h40 r180
  text "AN7" at 304,3824 h150 r90
  text "100p" at 3802,3819 h40
  text "PD" at 1286,3812 h40 r90
  text "PD" at 587,3796 h40 r180
  text "-" at 2745,3748 h40
  text "100p" at 3475,3725 h40 r90
  text "PD" at 469,3686 h40
  text "-" at 3535,3632 h40 r180
  text "100p" at 2760,3604 h40
  text "Black & Pearl" at 4249,3586 h300 r90
  text "-" at 3872,3576 h40 r180
  text "100p" at 2428,3561 h40 r90
  text "-   v  24" at 516,3555 h40
  text "°" at 2063,3530 h30
  text "+" at 3271,3527 h40
  text "MosfetBoard" at 2617,3509 h40
  text "4" at 2829,3438 h40
  text "1" at 2728,3437 h40
  text "D-" at 1790,3436 h40
  text "6" at 2916,3434 h40
  text "5V" at 2598,3432 h40
  text "GND" at 2983,3431 h40
  text "+" at 3358,3426 h40
  text "sondC" at 1020,3425 h120 r90
  text "+" at 3173,3425 h40
  text "+" at 1930,3394 h40
  text "Error" at 4107,3355 h40
  text "10n" at 535,3354 h40
  text "MAX485" at 3467,3347 h40 r270
  text "D" at 1059,3338 h40
  text "D+" at 1786,3333 h40
  text "AN8" at 455,3309 h150 r90
  text "12V" at 1788,3295 h40 r270
  text "MAX485" at 2096,3283 h40 r270
  text "Cod2" at 3544,3255 h150
  text "12V" at 1005,3241 h40
  text "v" at 3983,3215 h40 r180
  text "2" at 2718,3191 h40
  text "5" at 2923,3189 h40
  text "3" at 2824,3187 h40
  text "°" at 3123,3162 h30
  text "Selftst" at 4072,3157 h40
  text "v" at 3983,3108 h40 r180
  text "GND12" at 1019,3079 h40
  text "GND12" at 1486,3056 h40 r90
  text "12V" at 483,2949 h150 r90
  text "AX12" at 1018,2923 h120
  text "°" at 3841,2776 h30 r270
  text "ACT" at 4305,2766 h200 r90
  text "1u" at 3717,2698 h40 r90
  text "5Vs" at 784,2691 h150
  text "60" at 4150,2664 h40 r270
  text "S0" at 2437,2612 h150 r180
  text "|" at 250,2600 h250 r270
  text "WhoAmI:Gros Petit" at 1412,2544 h40
  text "S4" at 3439,2539 h150 r180
  text "S1" at 2809,2537 h150 r180
  text "S3" at 3232,2536 h150 r180
  text "S5" at 3654,2536 h150 r180
  text "S2" at 3019,2534 h150 r180
  text "GND" at 4196,2500 h40
  text "60" at 4139,2476 h40 r270
  text "10n" at 674,2473 h40
  text "100p" at 2497,2444 h40
  text "CAN" at 3996,2421 h40 r180
  text "C2" at 504,2409 h150
  text "-" at 508,2367 h40
  text "°" at 2583,2208 h30 r270
  text "^  24" at 693,2203 h40
  text "°" at 2955,2202 h30 r270
  text "1n" at 3346,2191 h40 r270
  text "PD" at 486,2165 h40 r90
  text "-" at 2381,2147 h40 r180
  text "1n" at 2455,2143 h40
  text "." at 2073,2124 h40 r90
  text "1n" at 2721,2123 h40 r270
  text "+" at 2289,2114 h40 r90
  text "+" at 3122,2091 h40
  text "s" at 692,2077 h40
  text "1M" at 2191,2029 h30 r180
  text "PU" at 2866,1979 h40
  text "PU" at 2768,1977 h40
  text "+" at 2598,1947 h40
  text "+" at 2499,1946 h40
  text "MOTORS" at 1251,1890 h150
  text "s" at 2980,1863 h40
  text "1k   -" at 4013,1841 h40 r90
  text "Rled v" at 4077,1841 h40 r90
  text "100  ." at 4141,1841 h40 r90
  text "s" at 2696,1823 h40
  text "10n" at 767,1812 h40
  text "D7" at 2295,1772 h150
  text "D6" at 3056,1764 h150
  text "C3" at 611,1759 h150
  text "PD" at 3061,1731 h40 r270
  text "v" at 2935,1712 h40 r270
  text "-   v" at 499,1707 h40
  text "°" at 4196,1689 h30 r90
  text "v" at 2777,1684 h40 r90
  text "PD" at 2665,1663 h40 r90
  text "10n" at 2698,1596 h40
  text "10n" at 2180,1556 h40 r90
  text "24" at 802,1543 h40
  text "1M   #" at 4019,1508 h40 r90
  text "100k *" at 4085,1508 h40 r90
  text "100n" at 4201,1505 h40 r90
  text "PD" at 493,1494 h40 r90
  text "USB_HOKUYO" at 2651,1443 h150 r270
  text "s" at 696,1412 h40
  text "COD LEFT" at 1224,1278 h150
  text "PRO" at 4277,1203 h200 r90
  text "-------Legende-------" at 3945,1191 h40 r90
  text "10n" at 774,1117 h40
  text "C1" at 612,1060 h150
  text "-   v" at 503,1012 h40
  text "s serie" at 4015,979 h40 r90
  text "PU pull-up" at 4082,978 h40 r90
  text "PD pull-down" at 4145,978 h40 r90
  text "24" at 806,848 h40
  text "Error" at 4118,831 h40
  text "PD" at 480,807 h40 r90
  text "v" at 3985,778 h40 r180
  text "s" at 679,722 h40
  text "v" at 3988,638 h40 r180
  text "COD RIGHT" at 1238,637 h150
  text "PU" at 2155,620 h40
  text "10n" at 772,559 h40
  text "+" at 1862,556 h40
  text "Selftst" at 4083,544 h40
  text "PU" at 1580,520 h40 r90
  text "1n" at 1943,511 h40 r270
  text "C4" at 600,497 h150
  text "°" at 1568,469 h30
  text "°" at 2092,468 h30
  text "-   v" at 493,454 h40
  text "24" at 796,290 h40
  text "PD" at 487,248 h40 r90
  text "s" at 678,166 h40
  text "°" at 1484,165 h30
  text "°" at 1876,164 h30
  text "PU" at 1856,131 h40 r270
  text "-" at 2188,101 h40 r270
  text "PU" at 1473,58 h40 r90
Bottom Overlay:
  text "ALIM" at 1533,8571 h40
  text "BtTX" at 2343,8379 h40
  text "BtRX" at 2344,8258 h40
  text "GND24" at 1318,8242 h40 r90
  text "GND" at 1604,8241 h40 r90
  text "24V" at 1466,8239 h40 r90
  text "5Vp" at 1737,8238 h40 r90
  text "5V" at 1875,8235 h40 r90
  text "47k" at 795,7651 h40 r90
  text "47k" at 1088,7553 h40
  text "47k" at 792,7444 h40 r90
  text "B4" at 2452,7231 h150
  text "47k" at 997,7225 h40 r270
  text "C2" at 541,7123 h150
  text "B5" at 1878,6995 h150
  text "C4" at 1209,6821 h150
  text "C1" at 662,6557 h150
  text "C3" at 1250,6232 h150
  text "B1" at 656,6006 h150
  text "C5" at 1181,5696 h150
  text "RFU" at 3201,5123 h150
  text "AN9" at 594,4806 h150
  text "TOR" at 1670,4739 h150
  text "<-MOT34" at 2848,4712 h150
  text "AN13" at 1641,4586 h150
  text "Cod1" at 3900,4434 h150
  text "AN11" at 452,4328 h150
  text "AN7" at 433,3877 h150
  text "sondC" at 1426,3691 h120
  text "MOT12" at 3058,3656 h150 r180
  text "D-" at 1526,3440 h40
  text "AN8" at 410,3396 h150
  text "D+" at 1522,3337 h40
  text "D" at 1365,3335 h40
  text "12V" at 1485,3240 h40
  text "12V" at 427,3192 h150 r90
  text "Cod2" at 3986,3148 h150
  text "GND12" at 1520,3142 h40
  text "RX24" at 1856,3053 h150 r270
  text "AX12" at 1012,2996 h120 r180
  text "5Vs" at 859,2735 h150 r90
  text "C2" at 595,2442 h150
  text "S0" at 2583,2442 h150
  text "S4" at 3433,2439 h150
  text "S3" at 3226,2436 h150
  text "S5" at 3648,2436 h150
  text "S2" at 3013,2434 h150
  text "S1" at 2783,2433 h150
  text "C2" at 412,2216 h150
  text ".hole_Count" at 4287,2089 h40 r90
  text "holes" at 4287,1898 h40 r90
  text "C3" at 586,1774 h150
  text "D7" at 2552,1772 h150
  text "D6" at 3018,1766 h150
  text "Motors" at 1740,1728 h150 r270
  text ".via_Count" at 4287,1613 h40 r90
  text "C3" at 408,1556 h150
  text "vias" at 4288,1468 h40 r90
  text ".track_Count" at 4287,1223 h40 r90
  text "C1" at 590,1094 h150
  text "CodL" at 1716,1093 h150 r270
  text "tracks" at 4287,1043 h40 r90
  text "C1" at 412,863 h150
  text "B15 14 13 12   5V  GND" at 3331,752 h100
  text ".component_Count" at 4287,679 h40 r90
  text "CodR" at 1725,668 h150 r270
  text "Gyro" at 3635,614 h150
  text "C4" at 587,529 h150
  text "components" at 4287,527 h40 r90
  text "C4" at 401,372 h150
  text "RFU" at 3425,109 h120
  text "RFU" at 1842,76 h120
  text "SondC" at 2567,27 h70 r270
Mechanical 1:
  rectangle: 3996,9 4316,8853
  rectangle: 18,12 338,8814
  text "FixUSBin" at 3113,1982 h60
  text "FixUSBHokuyo" at 3948,1886 h60 r90
  text "Position du connecteur USB HOKUYO" at 2293,1434 h60
  text "Tige support..." at 4451,1264 h60 r90
  text "Tige support..." at -84,330 h60 r90
Drill Drawing:
  text ".Legend" at 5135,3937 h60

## Dimensions
0.01,0.01 to 4330.72,0.01 on Mechanical 15
0.01,8858.28 to 0.01,0.01 on Mechanical 15

## Text inside footprints (layer, text, board x,y; h text height)
ACT_STM32F4DISCOVERY: Top Overlay "52" at 1379.69,5061.29 h50 r90; Top Overlay "100" at 3781.26,5057.35 h35.43 r90; Top Overlay "P2" at 1273.39,4880.19 h78.74 r90; Top Overlay "1" at 1383.62,2801.45 h50 r90; Top Overlay "2" at 1379.69,3057.35 h50 r90; Top Overlay "99" at 3785.2,4762.08 h35.43 r90; Top Overlay "50" at 3777.32,3061.29 h35.43 r90
PRO_STM32F4DISCOVERY: Top Overlay "99" at 3786.2,2145.08 h35.43 r90; Top Overlay "2" at 1380.69,440.35 h50 r90; Top Overlay "1" at 1384.62,184.45 h50 r90; Top Overlay "P1" at 1270.45,275 h78.74 r90; Top Overlay "P2" at 1274.39,2263.19 h78.74 r90; Top Overlay "100" at 3782.26,2440.35 h35.43 r90; Top Overlay "51" at 1388.56,2137.2 h50 r90; Top Overlay "52" at 1380.69,2444.29 h50 r90; Top Overlay "USB_MICRO_AB" at 3809.82,1432.48 h39.37 r90
STR_CR2032: Top Overlay "-" at 1795,6882 h150 r10; Top Overlay "+" at 1946,6018 h150 r280
STR_MICRO_SD: Top Overlay "MicroSD" at 151,7806 h40
STR_STM32F4DISCOVERY: Top Overlay "52" at 1382.69,7676.29 h50 r90; Top Overlay "51" at 1390.56,7369.2 h50 r90; Top Overlay "100" at 3784.26,7672.35 h35.43 r90; Top Overlay "P2" at 1276.39,7495.19 h78.74 r90; Top Overlay "P1" at 1298,5506 h78.74 r90; Top Overlay "1" at 1386.62,5416.45 h50 r90; Top Overlay "2" at 1382.69,5672.35 h50 r90